# Altium PCB 水杯V1.1_ZM_20210702.PcbDoc
Units mm, origin at the board's own origin, x right, y up, seen from the top; angles counter-clockwise.
Board outline 64.5 x 63 mm, 2 copper layers (Top Layer, Bottom Layer), stack 1.671 mm thick; 137 components, 80 nets, 371 pads, 312 vias.
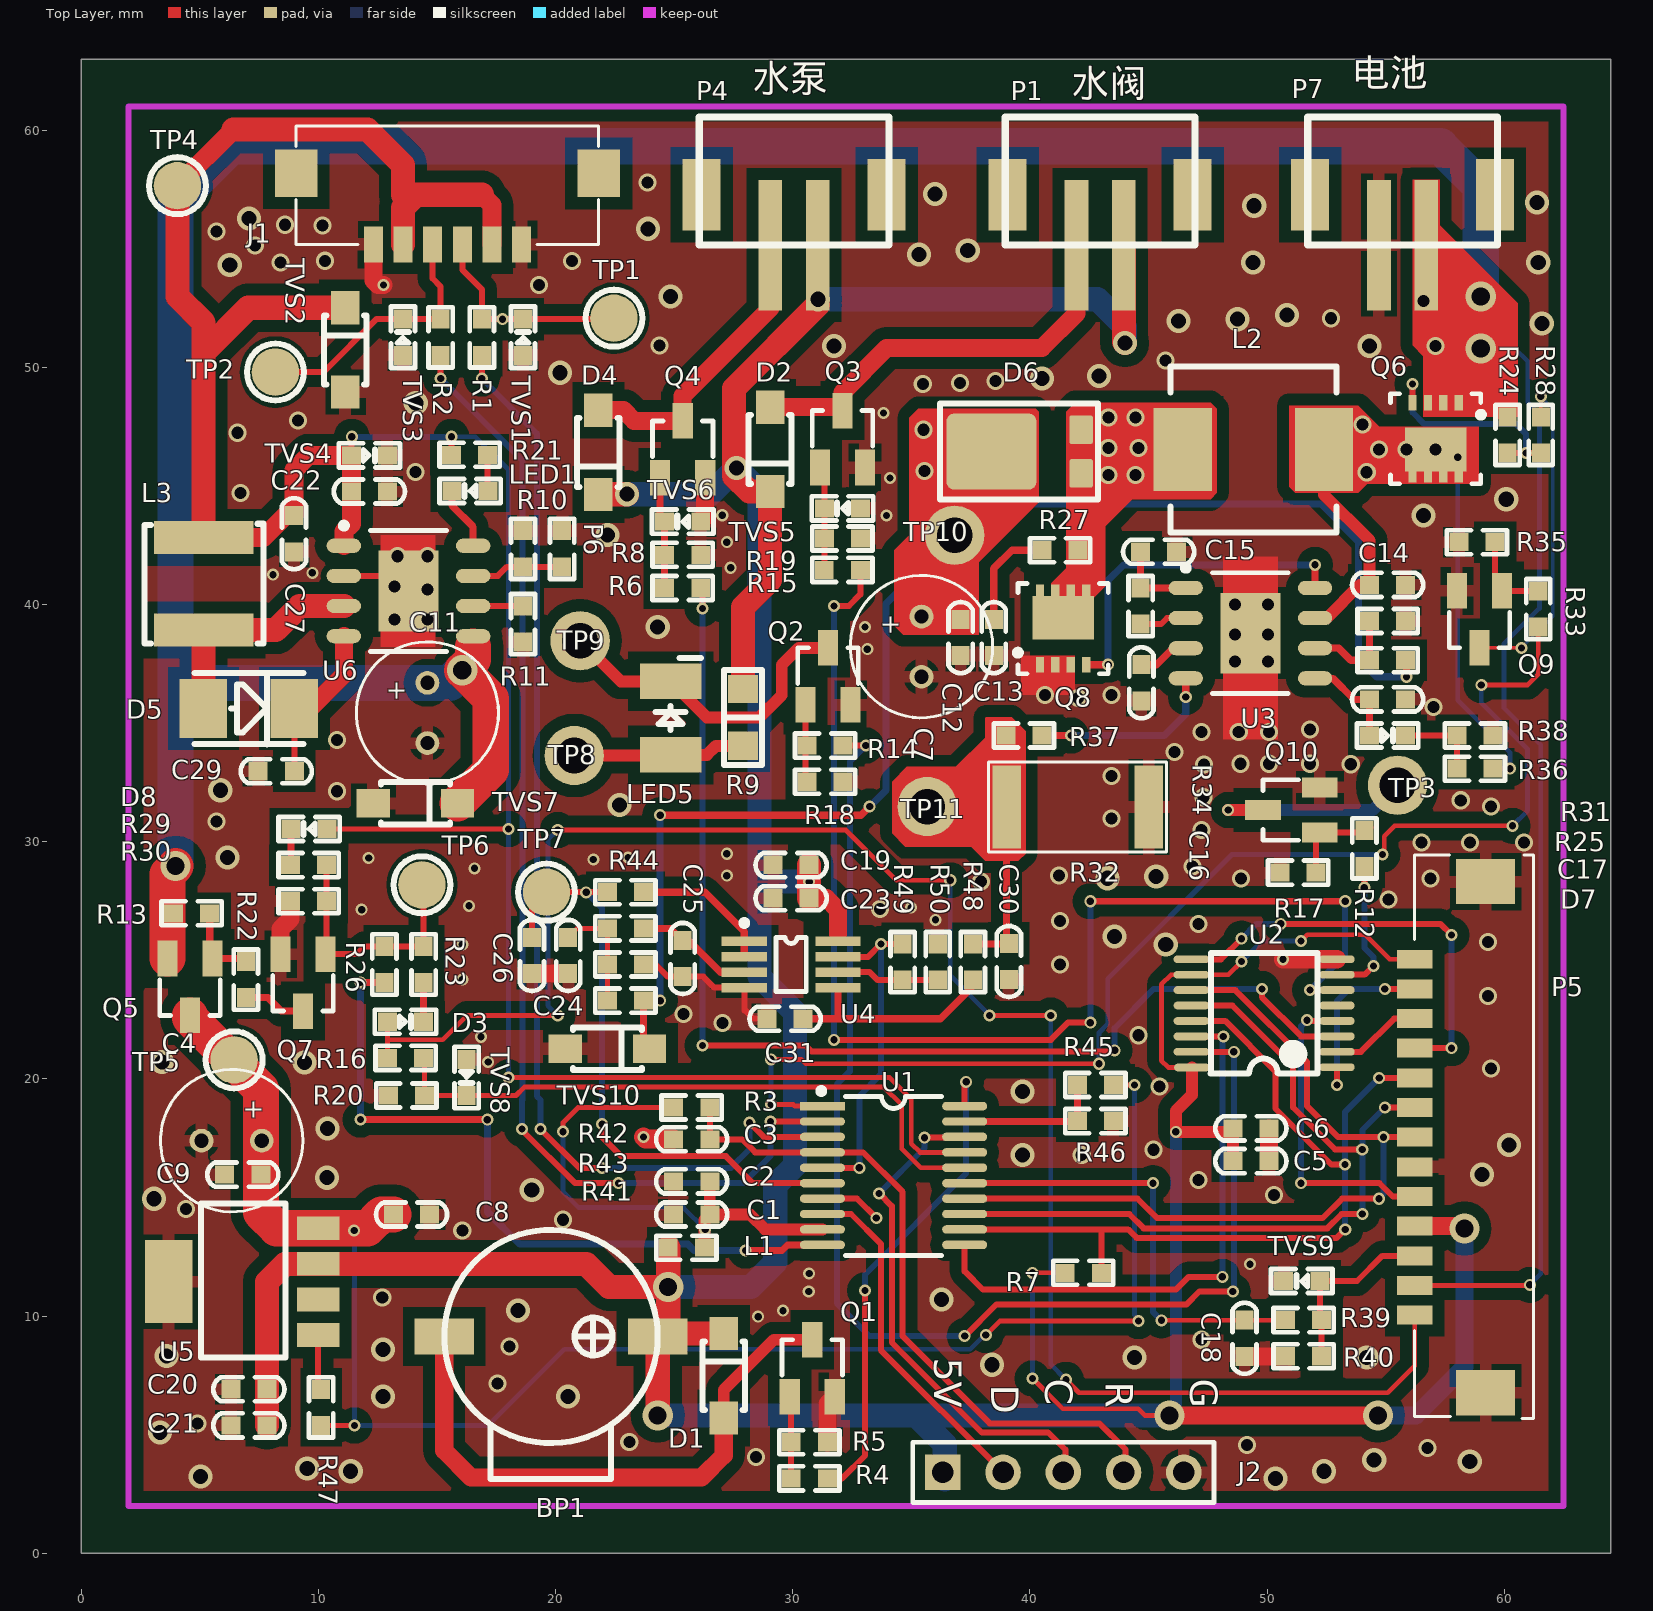
[diagram p0: Top Layer view]
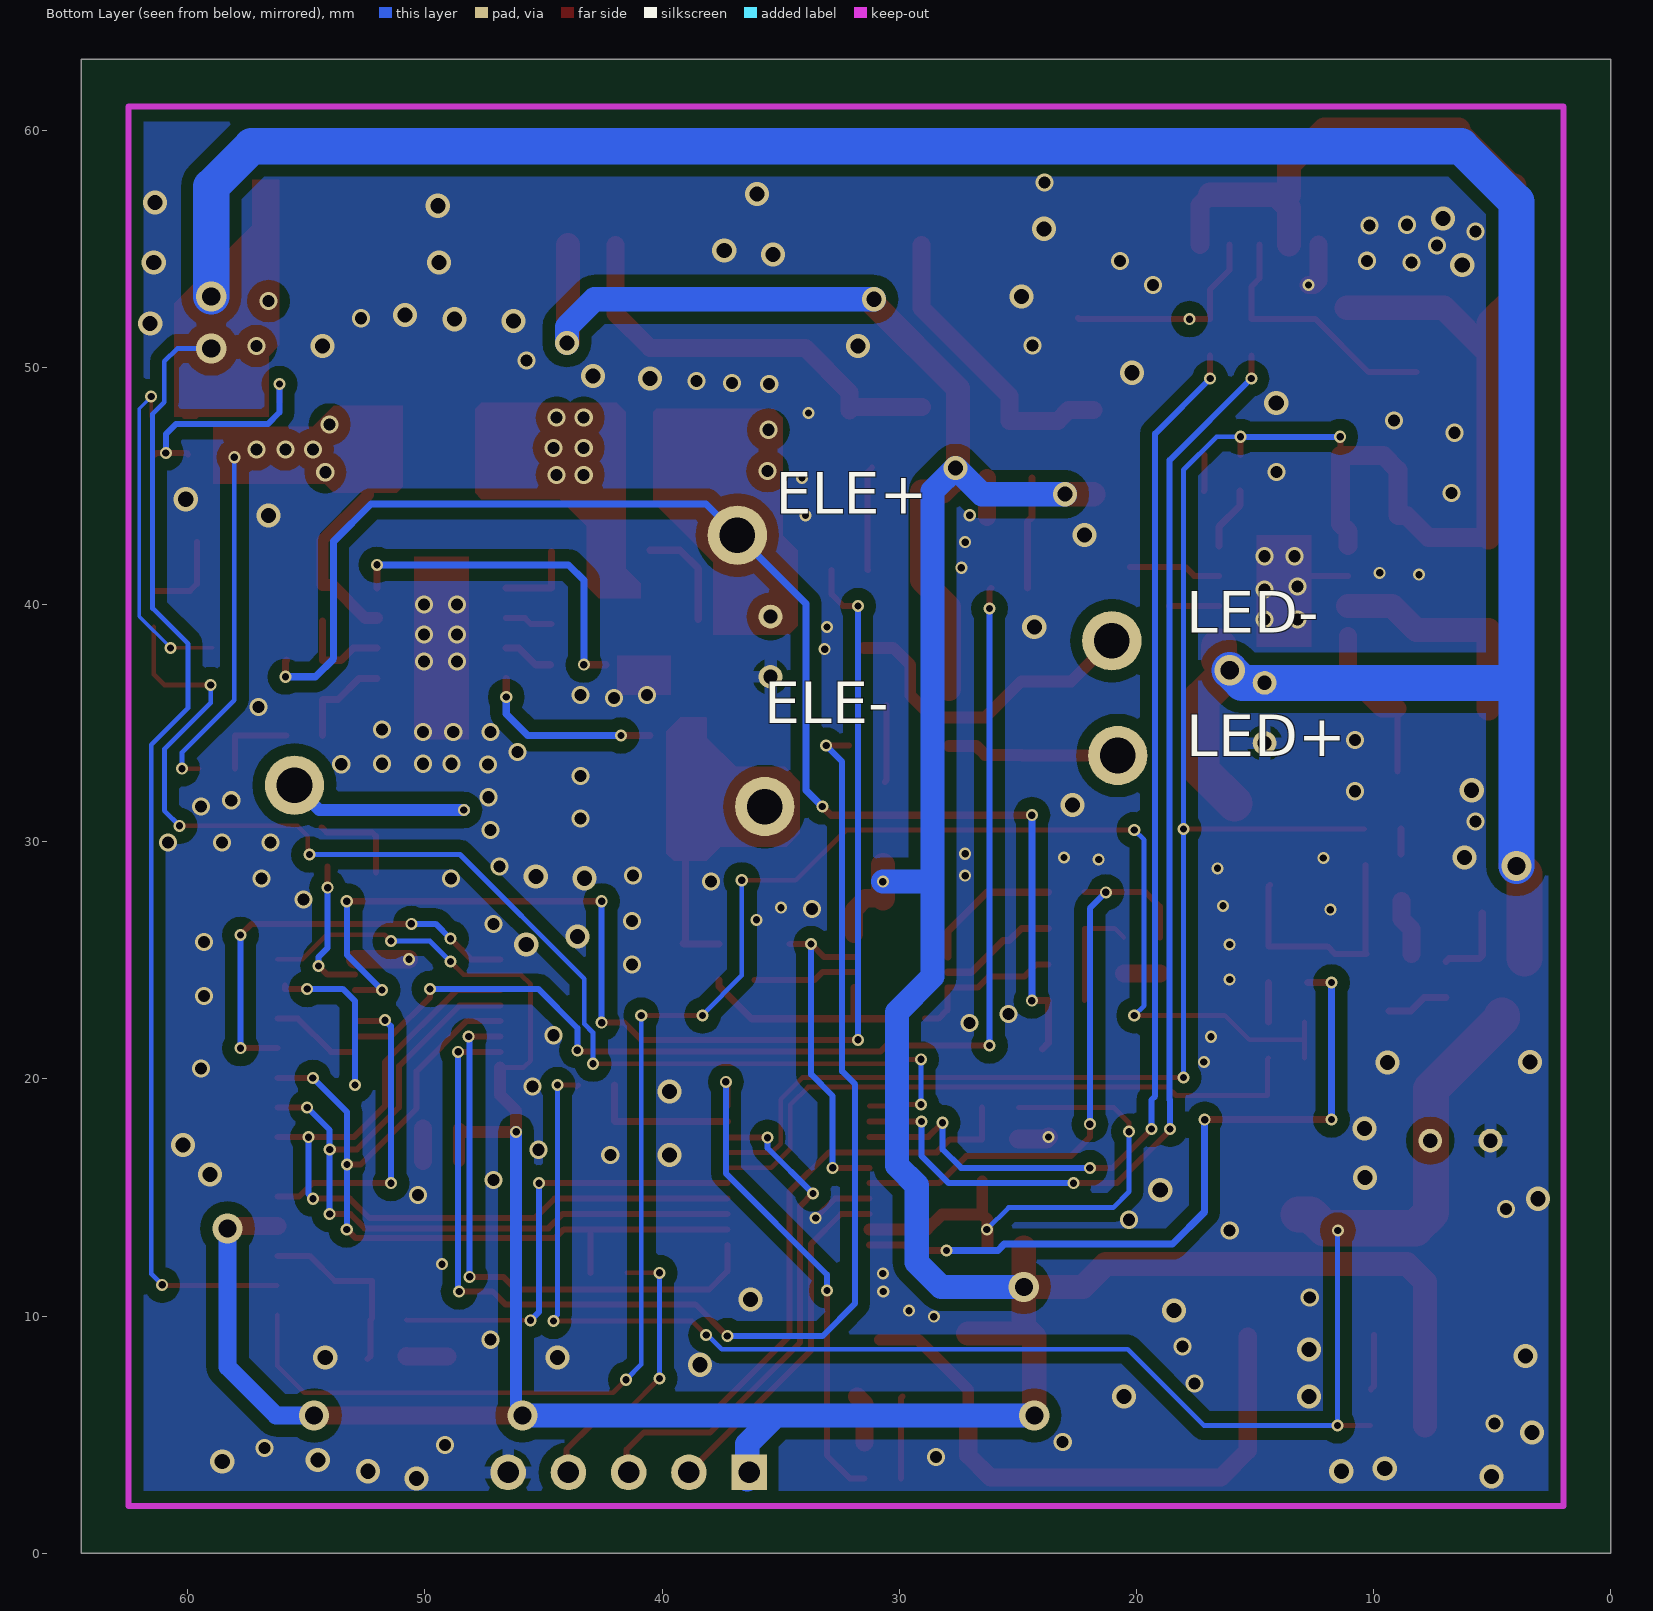
[diagram p1: Bottom Layer view, seen from below]
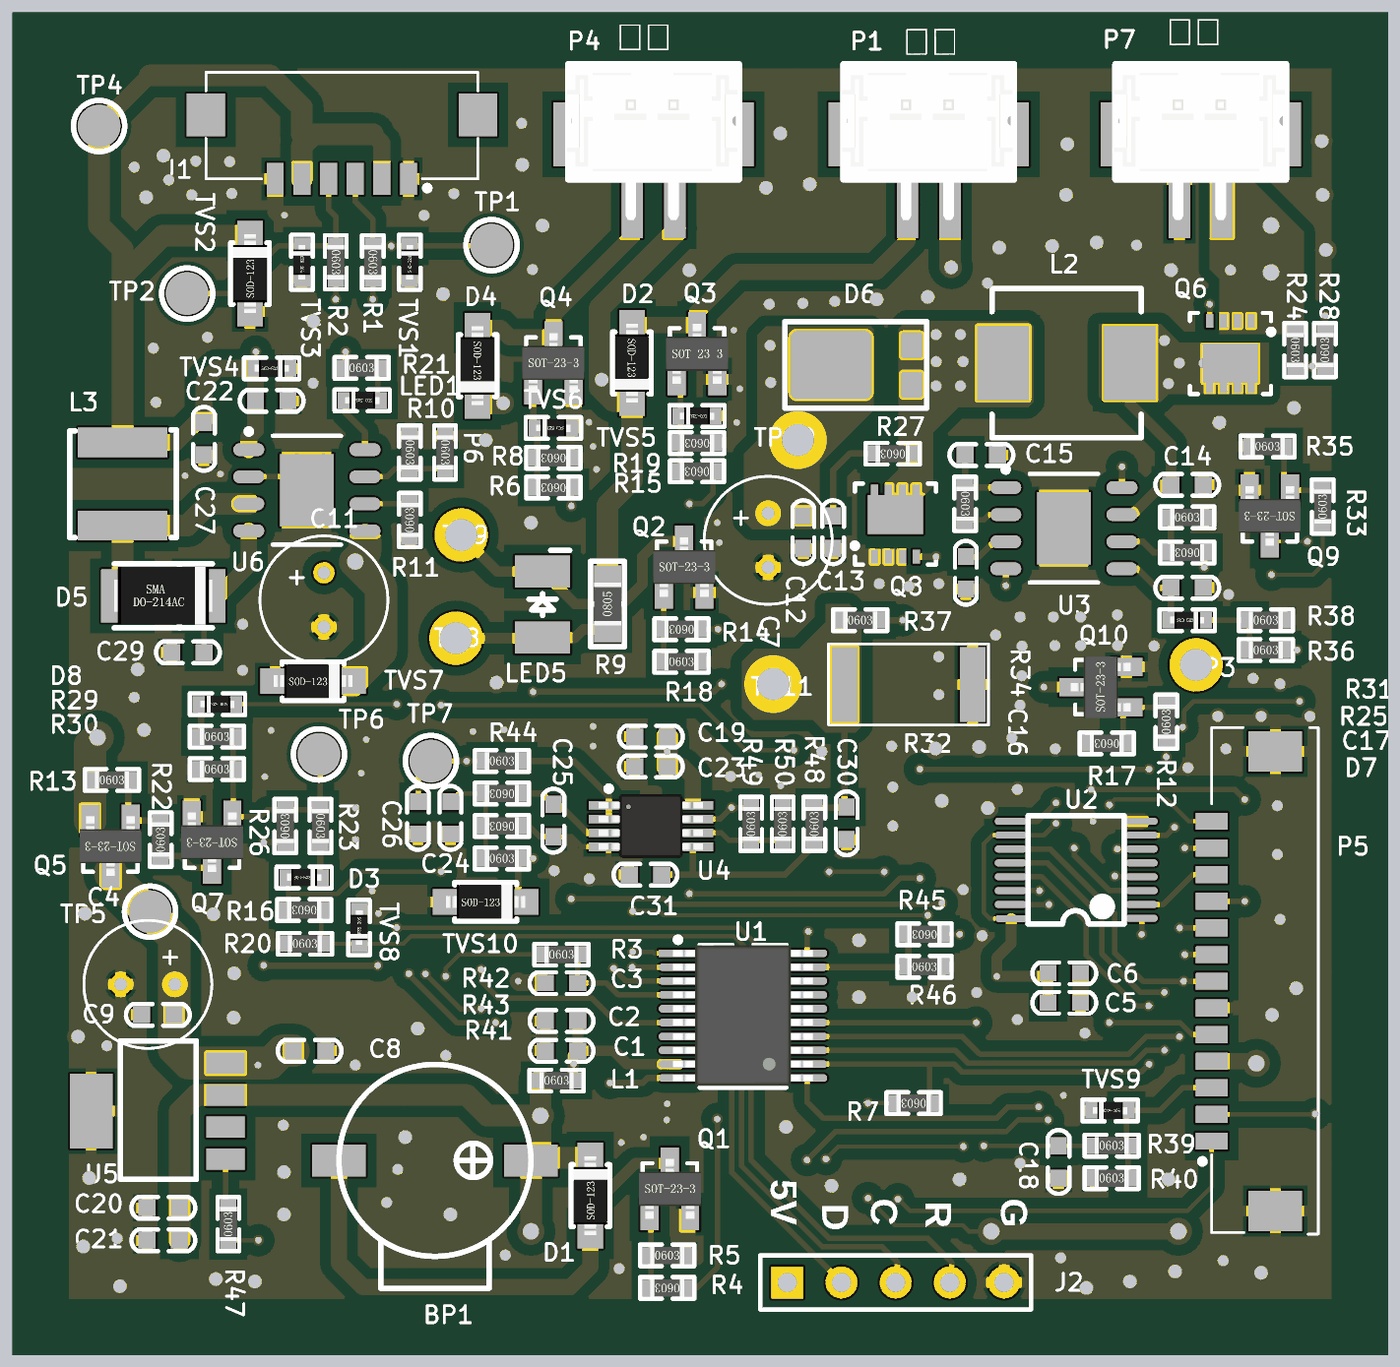
[diagram p2: 3D render of the assembled board from above, using the file's embedded part models]

## Layer stack, top to bottom
Top Solder: solder mask 0.0102, Solder Resist, Dk 3.5
Top Layer: signal copper 0.0356
Dielectric1: dielectric 1.6, FR-4, Dk 4.8
Bottom Layer: signal copper 0.0356
Bottom Solder: solder mask 0.0102, Solder Resist, Dk 3.5

## Board outline
0,0 64.5,0 64.5,63 0,63

## Design rules (kind name [scope] priority, off if disabled: settings)
Clearance Clearance_1 [All vs InPolygon] p1: gap=0.508
Clearance [All] p2: gap=0.102
HoleSize [All] p1: absolutevalues=TRUE maxlimit=76.2 minlimit=0.127 maxpercent=80.000 minpercent=20.000
MinimumSolderMaskSliver [All] p1: minsoldermaskwidth=0.025
NetAntennae [All] p1: netantennaetolerance=2.54
PolygonConnect PolygonConnect_1 [isvia] p1: connectstyle=Direct reliefconductorwidth=0.254 reliefentries=4 polygonreliefangle="90 Angle" airgapwidth=0.254
PolygonConnect [All] p2: connectstyle=Relief reliefconductorwidth=0.508 reliefentries=4 polygonreliefangle="90 Angle" airgapwidth=0.254
RoutingVias [All] p1: holewidth=0.711 width=1.27 viastyle="Through Hole" minholewidth=0.711 minwidth=1.27 maxholewidth=0.711 maxwidth=1.27
SolderMaskExpansion [All] p1: expansion=0.102
Width [All] p1: maxlimit=5.08 minlimit=0.152 preferedwidth=0.254
27 further rules are at their usual default settings.

## Classes and differential pairs
component class POWER: C4 C7 C8 C9 C11 C12 C13 C14 C15 C16 C17 C18 C19 C20 C21 C22 C23 C24 C25 C26 C27 C29 C30 C31 D3 D5 D6 D7 D8 L2 L3 LED1 P6 P7 Q5 Q6 Q7 Q8 Q9 R10 R11 R13 R16 R20 R21 R22 R23 R24 R25 R26 R27 R28 R29 R30 R31 R32 R33 R34 R35 R36 R37 R38 R39 R40 R41 R42 R43 R44 R47 R48 R49 R50 TP4 TP5 TP6 TP7 TP10 TP11 TVS4 TVS7 TVS8 TVS9 TVS10 U3 U4 U5 U6
component class MCU: BP1 C1 C2 C3 C5 C6 D1 D2 D4 J1 J2 L1 LED5 P1 P4 P5 Q1 Q2 Q3 Q4 Q10 R1 R2 R3 R4 R5 R6 R7 R8 R9 R12 R14 R15 R17 R18 R19 R45 R46 TP1 TP2 TP3 TP8 TP9 TVS1 TVS2 TVS3 TVS5 TVS6 U1 U2

## Components (designator, comment, footprint, x,y, rotation, side; value= is the part's Value field where it differs from the comment)
BP1 "KLJ-9032" SP9025 19.812,9.144 r0 top
C1 "10uF/25V" SMD-0603C 25.746,14.286 r0 top
C2 "0.1uF/50V" SMD-0603C 25.746,15.683 r0 top
C3 "0.1uF/50V" SMD-0603C 25.746,17.457 r180 top
C4 "100uF/35V" 6*8 6.35,17.399 r0 top
C5 "10uF/25V" SMD-0603C 49.319,16.536 r180 top
C6 "0.1uF/50V" SMD-0603C 49.319,17.919 r180 top
C7 "100uF/35V" 6*8 35.433,38.227 r90 top
C8 "0.1uF/50V" SMD-0603C 13.935,14.286 r0 top
C9 "0.1uF/50V" SMD-0603C 6.82,15.97 r0 top
C11 "100uF/35V" 6*8 14.605,35.433 r90 top
C12 "0.1uF/50V" SMD-0603C 37.084,38.608 r270 top
C13 "0.1uF/50V" SMD-0603C 38.481,38.608 r270 top
C14 "0.1uF/50V" SMD-0603C 55.083,40.829 r180 top
C15 "0.1uF/50V" SMD-0603C 45.431,42.226 r180 top
C16 "0.1uF/50V" SMD-0603C 44.704,36.703 r90 top
C17 "0.1uF/50V" SMD-0603C 55.083,36.003 r180 top
C18 "0.1uF/50V" SMD-0603C 49.052,9.07 r90 top
C19 "10uF/25V" SMD-0603C 29.937,29.018 r0 top
C20 "0.1uF/50V" SMD-0603C 7.077,6.92 r180 top
C21 "10uF/25V" SMD-0603C 7.077,5.396 r0 top
C22 "10uF/25V" SMD-0603C 12.157,44.766 r180 top
C23 "0.1uF/50V" SMD-0603C 29.937,27.621 r0 top
C24 "0.1uF/50V" SMD-0603C 20.539,25.208 r90 top
C25 "0.1uF/50V" SMD-0603C 25.365,25.081 r90 top
C26 "100pF/50V" SMD-0603C 19.015,25.208 r270 top
C27 "1uF/50V" SMD-0603C 8.982,42.988 r270 top
C29 "22uF/35V" SMD-0603C 8.231,32.973 r0 top
C30 "0.1uF/50V" SMD-0603C 39.116,24.954 r90 top
C31 "0.1uF/50V" SMD-0603C 29.683,22.541 r0 top
D1 "1N4148" SOD-123 27.097,7.492 r90 top
D2 "1N4148" SOD-123 29.048,46.544 r270 top
D3 "1N4148" SOD-523 13.681,22.414 r0 top
D4 "1N4148" SOD-123 21.809,46.417 r270 top
D5 "SS34" DO-214-AC 7.077,35.622 r0 top
D6 "SVM1045V2" TO227 38.914,46.451 r90 top
D7 "1N4148" SOD-523 55.083,34.479 r0 top
D8 "1N4148" SOD-523 9.617,30.542 r180 top
J1 "6×1.25mmSMT" 6×1.25mmSMT 18.574,55.18 r180 top
J2 "OCDD" sip-5 41.413,3.418 r0 top
L1 "GZ1608D101TF" SMD-0603 25.517,12.889 r0 top
L2 "15uH/4A" INDUCTOR7*7 52.397,46.544 r180 top
L3 "SWPA5040-2.2uH" INDUCTOR_5*5 5.172,42.824 r270 top
LED1 "蓝光 3528" SMD-0603D 16.404,44.789 r180 top
LED5 "蓝光 3528" LED-3528 24.857,35.215 r90 top
P1 "PH2.0-2P-LI" PH2.0-2P-LI 42.963,55.154 r0 top
P4 "PH2.0-2P-LI" PH2.0-2P-LI 30.062,55.154 r0 top
P5 "Header 13" 13×1.25mmSMT 56.226,10.048 r90 top
P6 "NTC0603-104J4000NT" SMD-0603 20.285,42.353 r270 top
P7 "PH2.0-2P-LI" PH2.0-2P-LI 55.716,55.154 r0 top
Q1 "S8050" SOT-23 30.826,7.809 r0 top
Q2 "S8050" SOT-23 31.496,36.976 r0 top
Q3 "AO3400" SOT-23 32.1,46.978 r0 top
Q4 "AO3400" SOT-23 25.365,46.544 r0 top
Q5 "AO3401" SOT-23 4.598,23.881 r180 top
Q6 "AON7506" DFN3*3-8 57.109,46.989 r180 top
Q7 "S8050" SOT-23 9.363,24.065 r180 top
Q8 "AON7506" DFN3*3-8 41.402,38.989 r0 top
Q9 "S8050" SOT-23 58.954,39.375 r180 top
Q10 "S8050" SOT-23 51.029,31.342 r90 top
R1 "1K" SMD-0603 16.898,51.268 r270 top
R2 "1K" SMD-0603 15.162,51.268 r270 top
R3 "10K" SMD-0603 25.746,18.798 r0 top
R4 "4.7K" SMD-0603 30.703,3.163 r180 top
R5 "47K" SMD-0603 30.703,4.687 r0 top
R6 "100R" SMD-0603 25.365,40.702 r180 top
R7 "10K" SMD-0603 42.252,11.83 r180 top
R8 "10K" SMD-0603 25.365,42.099 r180 top
R9 "100R" SMD-0805 27.905,35.241 r90 top
R10 "82K/1%" SMD-0603 18.634,42.353 r270 top
R11 "10K/0.1%" SMD-0603 18.634,39.178 r90 top
R12 "1K" SMD-0603 54.102,29.718 r90 top
R13 "47K" SMD-0603 4.664,26.986 r0 top
R14 "1K" SMD-0603 31.369,34.055 r180 top
R15 "100R" SMD-0603 32.096,41.464 r180 top
R16 "5.1K" SMD-0603 13.681,20.89 r180 top
R17 "47K" SMD-0603 51.308,28.702 r180 top
R18 "47K" SMD-0603 31.369,32.531 r0 top
R19 "10K" SMD-0603 32.1,42.787 r180 top
R20 "10K" SMD-0603 13.716,19.304 r0 top
R21 "1K" SMD-0603 16.378,46.313 r0 top
R22 "1K" SMD-0603 6.95,24.192 r90 top
R23 "5.1K" SMD-0603 14.443,24.827 r270 top
R24 "47K" SMD-0603 60.144,47.155 r270 top
R25 "130K/1%" SMD-0603 55.083,37.654 r180 top
R26 "1K" SMD-0603 12.792,24.827 r90 top
R27 "1K" SMD-0603 41.275,42.291 r180 top
R28 "1K" SMD-0603 61.541,47.155 r90 top
R29 "1K" SMD-0603 9.591,29.018 r0 top
R30 "10K" SMD-0603 9.591,27.494 r0 top
R31 "4.3K/1%" SMD-0603 55.083,39.305 r0 top
R32 "0.11/1W" 2512R 45.017,31.467 r180 top
R33 "1K" SMD-0603 61.433,39.813 r90 top
R34 "100K" SMD-0603 44.669,39.94 r270 top
R35 "47K" SMD-0603 58.85,42.63 r0 top
R36 "62K" SMD-0603 58.766,33.082 r0 top
R37 "10K/0.1%" SMD-0603 39.751,34.479 r0 top
R38 "22K" SMD-0603 58.766,34.479 r0 top
R39 "1K" SMD-0603 51.538,9.836 r0 top
R40 "5.1K" SMD-0603 51.538,8.312 r0 top
R41 "100K" SMD-0603 22.952,23.303 r0 top
R42 "10K" SMD-0603 22.952,26.351 r180 top
R43 "10K" SMD-0603 22.952,24.827 r180 top
R44 "1K" SMD-0603 22.952,27.875 r0 top
R45 "100K" SMD-0603 42.764,19.747 r180 top
R46 "100K" SMD-0603 42.764,18.223 r0 top
R47 "10K" SMD-0603 10.125,6.158 r90 top
R48 "10K" SMD-0603 37.599,24.928 r90 top
R49 "100K" SMD-0603 34.636,24.928 r90 top
R50 "10K" SMD-0603 36.117,24.928 r90 top
TP1 "testpoint" TP 22.467,52.072 r0 top
TP2 "testpoint" TP 8.194,49.801 r0 top
TP3 "TPS" HOLE 55.499,32.385 r0 top
TP4 "testpoint" TP 4.064,57.658 r0 top
TP5 "testpoint" TP 6.457,20.808 r0 top
TP6 "testpoint" TP 14.374,28.187 r0 top
TP7 "testpoint" TP 19.625,27.875 r0 top
TP8 "TPS" HOLE 20.797,33.636 r0 top
TP9 "TPS" HOLE 21.041,38.477 r0 top
TP10 "TPS" HOLE 36.83,42.926 r90 top
TP11 "TPS" HOLE 35.674,31.484 r90 top
TVS1 "ESD5Z5.0T1G" SOD-523 18.634,51.268 r90 top
TVS2 "CESD5V0D1 KE" SOD-123 11.141,50.735 r90 top
TVS3 "ESD5Z5.0T1G" SOD-523 13.574,51.268 r90 top
TVS4 "ESD5Z5.0T1G" SOD-523 12.157,46.29 r0 top
TVS5 "ESD5Z5.0T1G" SOD-523 32.1,44.057 r180 top
TVS6 "ESD5Z5.0T1G" SOD-523 25.365,43.496 r180 top
TVS7 "CESD5V0D1 KE" SOD-123 14.097,31.623 r0 top
TVS8 "ESD5Z5.0T1G" SOD-523 16.256,20.066 r270 top
TVS9 "ESD5Z5.0T1G" SOD-523 51.465,11.483 r180 top
TVS10 "NC" SOD-123 22.19,21.271 r0 top
U1 "N76E003AT20" TSSOP20 34.255,15.937 r0 top
U2 "74HC595" SSOP-16 49.878,22.772 r90 top
U3 "FP7208" SOP127P600X265_HS-9N 49.299,38.797 r0 top
U4 "SGM358YMS/TR" MSOP-8 29.937,24.827 r0 top
U5 "LP38692MPX-5.0" SOT223-5 9.998,11.456 r90 top
U6 "CS5090" SOP127P600X265_HS-9N 13.808,40.575 r0 top

## Footprints (in the part's own frame and the unit in brackets; to place one, negate y for a bottom-side part, rotate by r counter-clockwise, add the part's x,y. Pads: shape width x height; smd on the part's side, far side on the other; paste and mask are expansions set on the pad)
6*8 [mm]
  round 1 hole 0.6: 1(1.27,0) 2(-1.27,0)
  silkscreen extent -3,-3 3,3
6×1.25mmSMT [mm]
  rect 1.8x2 smd: 0(-3.25,-3) 0(9.5,-3)
  rect 0.8x1.5 smd: 1(0,0) 2(1.25,0) 3(2.5,0) 4(3.75,0) 5(5,0) 6(6.25,0)
  round 0.5 on Top Overlay: ""(-0.875,0.432)
  silkscreen extent -3.25,-5 9.5,0
13×1.25mmSMT [mm]
  rect 1.9x2.5 smd: 0(-3.275,-2.985) 0(18.275,-2.985)
  rect 0.8x1.5 smd: 1(0,0) 2(1.25,0) 3(2.5,0) 4(3.75,0) 5(5,0) 6(6.25,0) 7(7.5,0) 8(8.75,0) 9(10,0) 10(11.25,0) 11(12.5,0) 12(13.75,0) 13(15,0)
  round 0.5 on Top Overlay: ""(-0.95,0.432)
  silkscreen extent -4.37,-5 19.39,0
2512R [mm]
  rect 1.2x3.5 smd: 1(0,0) 2(6,0)
  silkscreen extent -0.75,-1.9 6.75,1.9
DFN3*3-8 [mm] "QFN, 16-Leads, Body 3.30x3.30mm, Pitch 0.65mm, Thermal Pad 2.45x2.45mm, IPC Medium Density"
  rect 0.35x0.65 smd: 1(0.975,-1.525) 2(-0.975,1.525) 2(-0.325,1.525) 2(0.325,1.525) 2(0.975,1.525) 3(-0.975,-1.525) 3(-0.325,-1.525) 3(0.325,-1.525)
  rect 2.6x1.84 smd: 2(0,0.45)
  silkscreen extent -2.03,-1.9 1.9,1.9, body extent -1.75,-1.75 1.75,1.75, height 0.8
DO-214-AC [mm] "Molded Diode, 2-Leads, Body 4.5x2.6mm, IPC Medium Density"
  rect 2x2.5 smd: 1(-1.915,0) 2(1.915,0)
  silkscreen extent -2.3,-1.52 2.3,1.5, body extent -2.3,-1.35 2.3,1.35, height 2.4
HOLE [mm]
  round 2.5 hole 1.5: 1(0,0)
INDUCTOR7*7 [mm]
  rect 2.45x3.5 smd: 1(0,0) 2(5.95,0)
  silkscreen extent -0.53,-3.5 6.47,3.5
INDUCTOR_5*5 [mm]
  rect 1.4x4.2 smd: 1(0,0) 2(3.9,0)
  silkscreen extent -0.58,-2.49 4.47,2.51
LED-3528 [mm] "贴片二极管"
  rect 1.5x2.6 smd: 1(-1.55,0) 2(1.55,0)
  silkscreen extent -0.51,-1.27 2.54,0.64
MSOP-8 [mm] "TSOP, 8-Leads, Body 3.1x3.1mm (max), Pitch 0.65mm, IPC Medium Density"
  rect 1.9x0.4 smd: 1(-1.975,0.975) 2(-1.975,0.325) 3(-1.975,-0.325) 4(-1.975,-0.975) 5(1.975,-0.975) 6(1.975,-0.325) 7(1.975,0.325) 8(1.975,0.975)
  silkscreen extent -2.1,-1.14 0.64,1.87, body extent -2.45,-1.5 2.45,1.5, height 1.15
PH2.0-2P-LI [mm]
  rect 1.6x3 smd: 0(-3.9,2.123) 0(3.9,2.123)
  rect 1x5.5 smd: 1(-1,0) 2(1,0)
  silkscreen extent -4,0 4,5.4, body extent -4.06,-1.9 3.94,5.5, height 6.5
sip-5 [mm]
  rect 1.5x1.5 hole 0.9: 1(-5.08,0)
  round 1.5 hole 0.9: 2(-2.54,0) 3(0,0) 4(2.54,0) 5(5.08,0)
  silkscreen extent -6.35,-1.27 6.35,1.27
SMD-0603 [mil] "W1/32贴片电阻"
  rect 31.5x30 smd: 1(-30,0) 2(30,0)
  silkscreen extent -50,-20 50,20, body extent -31,-16 31,16, height 18
SMD-0603C [mil] "贴片电容"
  rect 31.5x30 smd: 1(-30,0) 2(30,0)
  silkscreen extent -59,-20 59,20, body extent -31,-16 32,16
SMD-0603D [mil] "贴片二极管"
  rect 31.5x30 smd: 1(-30,0) 2(30,0)
  silkscreen extent -51,-20 51,20, body extent -31,-16 31,16, height 26
SMD-0805 [mm] "贴片电阻"
  rect 1.2x1.27 smd: 1(-1.2,0) 2(1.2,0)
  silkscreen extent -2,-0.8 2,0.8, body extent -1,-0.63 1,0.63, height 0.55
SOD-123 [mm]
  rect 1.4x1.2 smd: 1(-1.778,0) 2(1.778,0)
  silkscreen extent -1.45,-0.9 1.45,0.9, body extent -1.85,-0.8 1.85,0.8, height 1.2
SOD-523 [mil] "贴片二极管"
  rect 31.5x30 smd: 1(-30,0) 2(30,0)
  silkscreen extent -51,-20 51,20, body extent -31,-16 31,16, height 26
SOP127P600X265_HS-9N [mm] "SOP, 8-Leads, Body 4.90x3.90mm, Pitch 1.27mm, Thermal Pad 3.40x2.52mm, IPC Medium Density"
  oval 1.45x0.6 smd: 1(-2.725,1.905) 2(-2.725,0.635) 3(-2.725,-0.635) 4(-2.725,-1.905) 5(2.725,-1.905) 6(2.725,-0.635) 7(2.725,0.635) 8(2.725,1.905)
  rect 2.52x3.4 smd: 9(0,0)
  silkscreen extent -2.85,-2.55 1.6,2.88, body extent -2,-2.55 2,2.55, height 2.65
SOT223-5 [mm]
  rect 1x1.8 smd: 1(-2.25,0) 2(-0.75,0) 3(0.75,0) 4(2.25,0)
  rect 3.5x2 smd: 5(0,6.3)
  silkscreen extent -3.2,1.37 3.3,4.93
SOT-23 [mm]
  rect 0.85x1.5 smd: 1(-0.95,-1.2) 2(0.95,-1.2) 3(0,1.2)
  silkscreen extent -1.27,-0.3 1.28,1.2, body extent -1.45,-1.4 1.45,1.4, height 1.2
SP9025 [mm] "嗡鸣器"
  rect 2.5x1.5 smd: 1(4.5,0) 2(-4.5,0)
  silkscreen extent -4.5,-6 4.5,4.5
SSOP-16 [mm] "高密度SOP16"
  oval 0.33x1.5 smd: 1(-2.275,-3.069) 2(-1.625,-3.069) 3(-0.975,-3.069) 4(-0.325,-3.069) 5(0.325,-3.069) 6(0.975,-3.069) 7(1.625,-3.069) 8(2.275,-3.069) 9(2.275,3.069) 10(1.625,3.069) 11(0.975,3.069) 12(0.325,3.069) 13(-0.325,3.069) 14(-0.975,3.069) 15(-1.625,3.069) 16(-2.286,3.048)
  silkscreen extent -2.54,-2.25 2.54,2.26